# Altium PCB main_not_rotated.PcbDoc (part 2 of 2)
Units mm, origin at the board's own origin, x right, y up, seen from the top; angles counter-clockwise.
Board outline 199.97 x 144.74 mm, 2 copper layers (Top Layer, Bottom Layer); 194 components, 185 nets, 678 pads, 91 vias.
Unrouted connection lines stored in the file: 244.
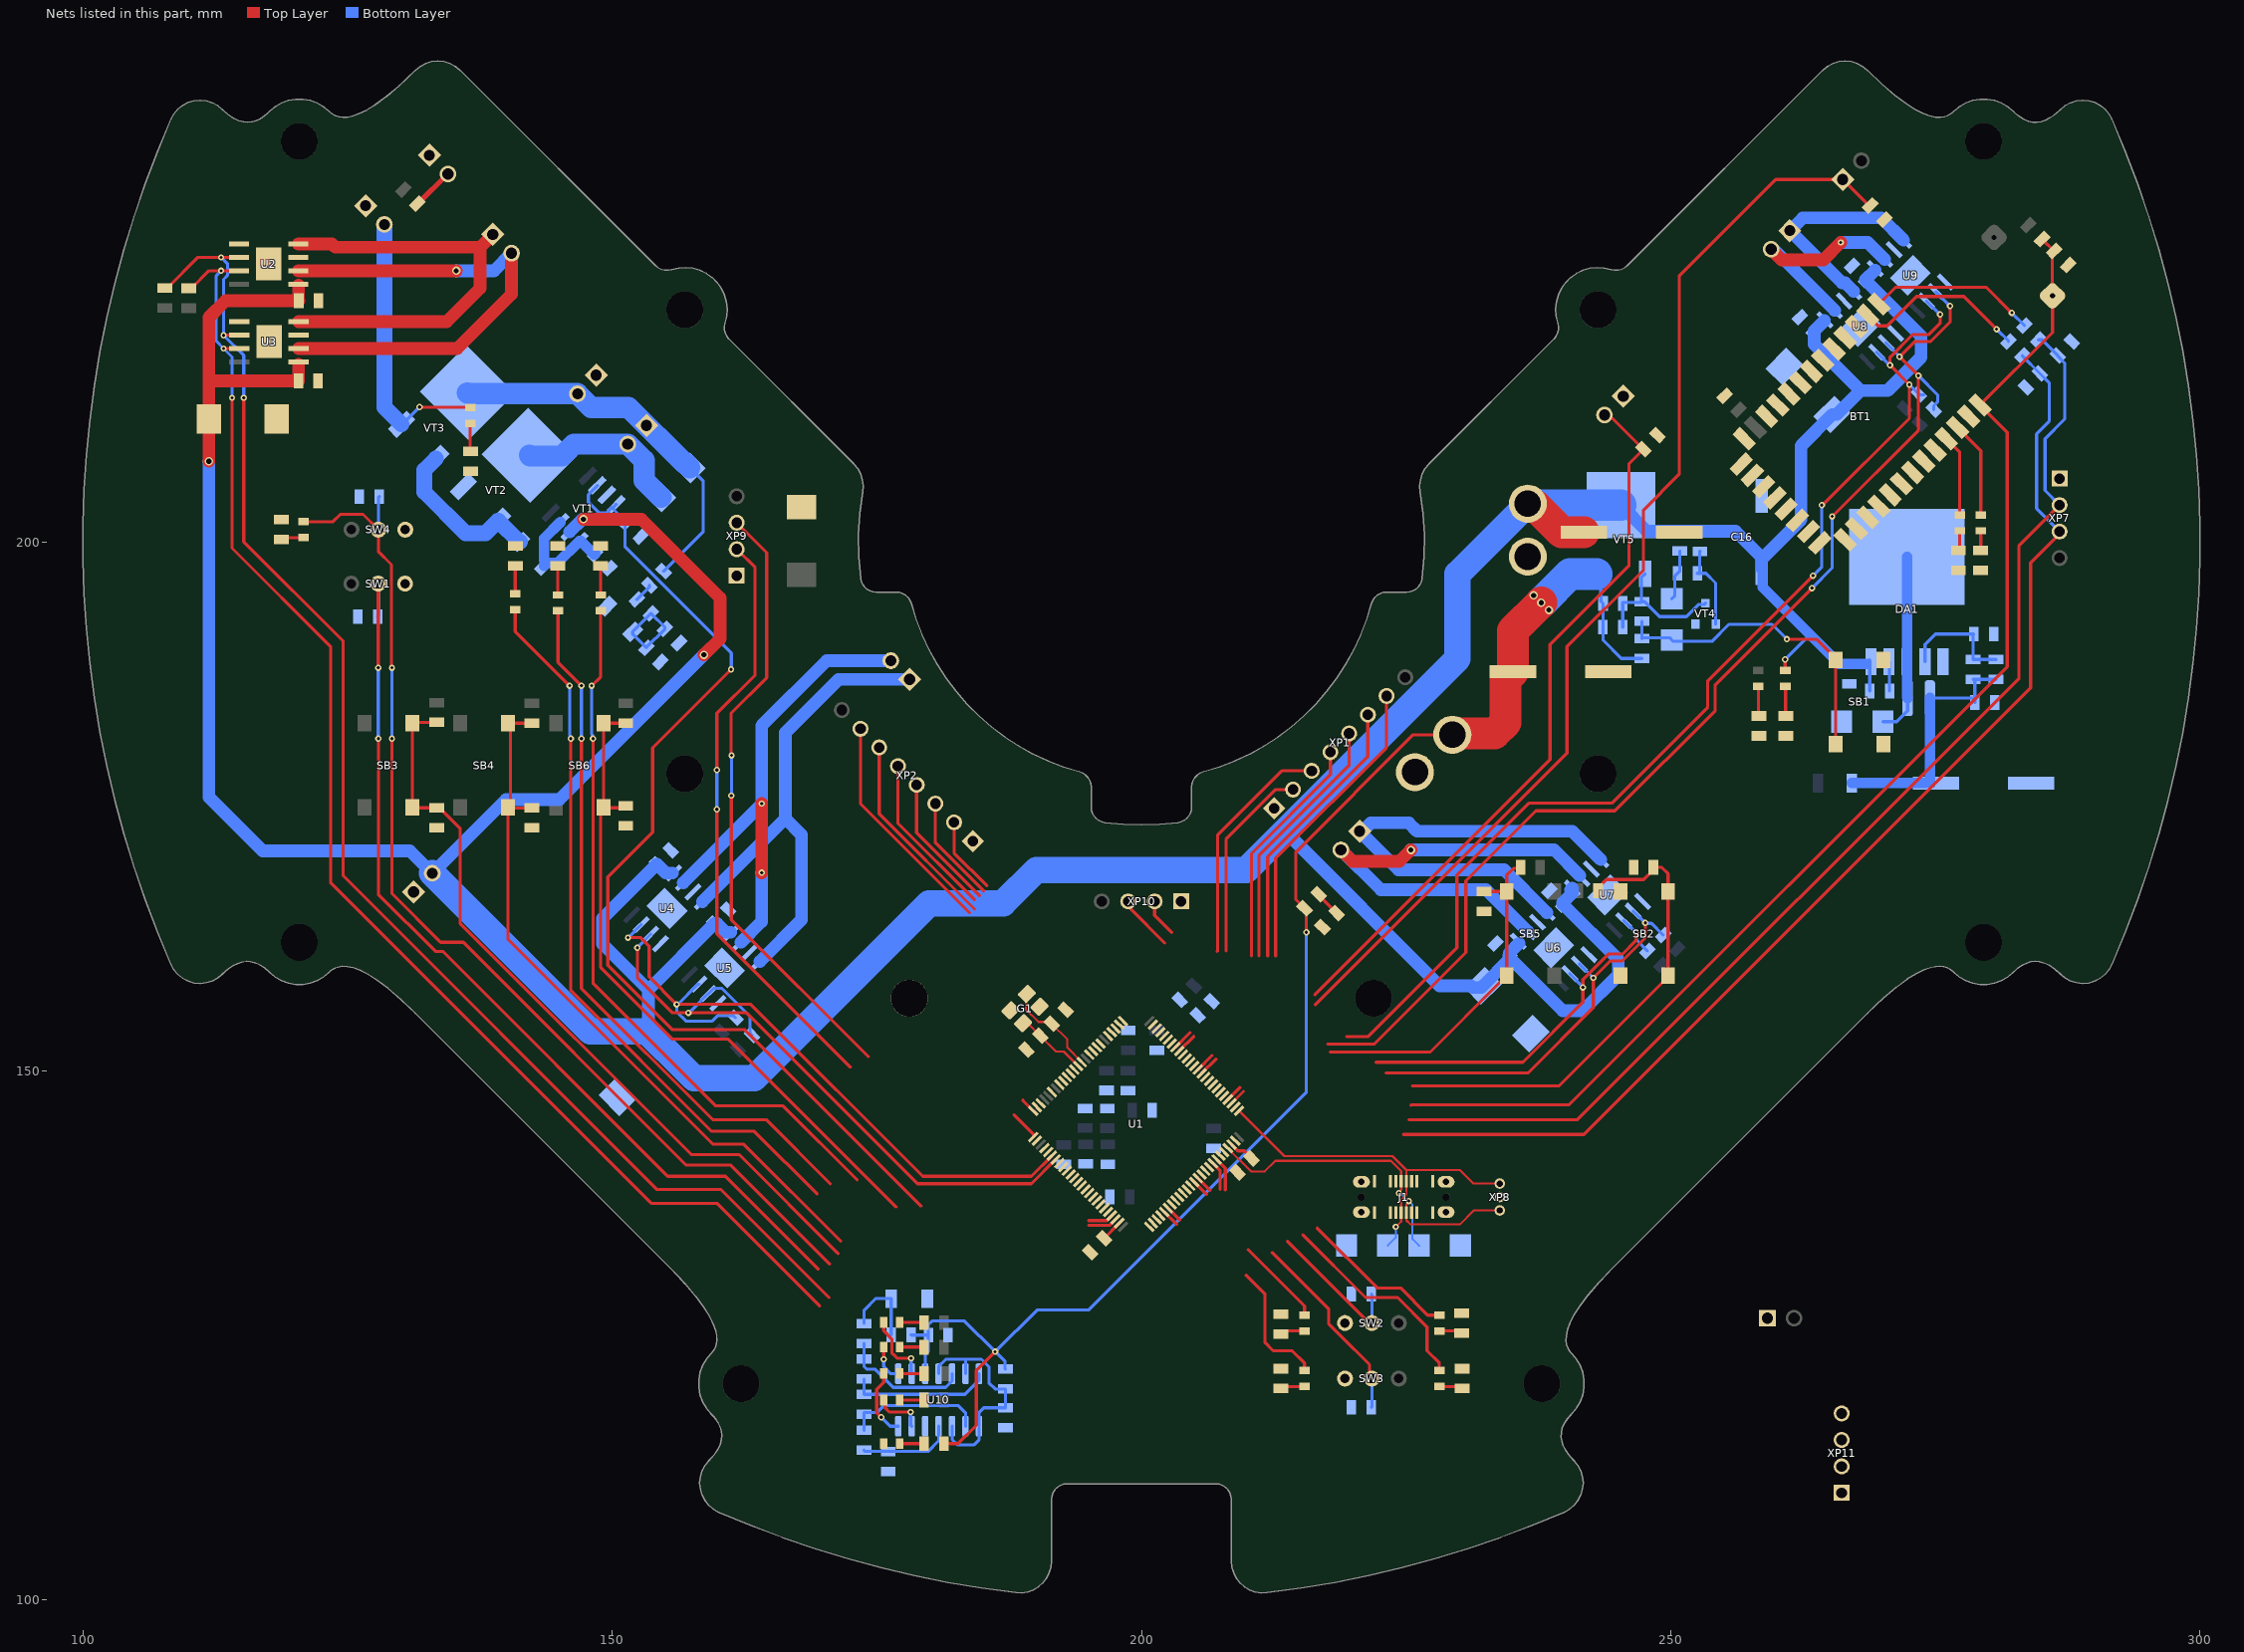
[diagram p2: the nets of this part, all layers, seen from the top]

## Via types
v1: diameter 0.6, hole 0.3, Top Layer to Bottom Layer, 79 vias
v2: diameter 0.8, hole 0.5, Top Layer to Bottom Layer, 12 vias

## Nets (pads, with @x,y where several pads share a name; then routed paths per layer and width w, separated by ;. In a path a pad name is that pad's centre, name@x,y a point inside that pad or via, vN(x,y) a via of type N, cw(c..) or ccw(c..) an arc to the next point about the centre after c; other vN are vias at no path point) (continued)
+12V: C2.1 C4.2 C5.2 C6.2 C7.2 C8.2 C9.2 C10.2 C11.2 C12.2 C13.2 C14.2 C15.2 C16.1 C18.2 C25.2 C46.2 DA1.5 HL6.2 R40.2 U2.5 U3.5 U4.5 U5.5 U6.5 U7.5 U8.5 U9.5 VT1.6 VT5.D XP15.2 XP21.2 | length 473.4
  Top Layer w0.3: v1(260.8,188.879) 260.8,187.873 HL6.2@260.823,187.85
  Top Layer w1.2: v2(111.92,207.6) 111.92,215.194 ; 120.378,216.771 120.378,215.197 C6.2@120.369,215.188 120.363,215.194 111.92,215.194 ; U2.5@120.378,224.243 120.378,222.814 C8.2@120.406,222.787 113.499,222.787 111.92,221.208 111.92,215.194 ; v2(147.289,202.131) 152.769,202.131 160.2,194.7 160.2,190.847 v2(158.678,189.325)
  Top Layer w3: XP15.2@236.5,203.6 236.615,203.485 237.115,203.485 239.7,200.9 C2.1@241.8,200.9
  Bottom Layer w0.3: v1(260.8,188.879) 263.153,191.232 263.153,191.239 ; DA1.5@268.747,188.839 268.807,188.779 C25.2@268.807,185.906
  Bottom Layer w1: C16.1@258.6,197.52 258.7,197.42 258.7,195.692 263.153,191.239 265.938,188.454 C18.2@266.864,188.454 ; C18.2@267.081,188.454 DA1.5@268.439,188.454
  Bottom Layer w1.2: v2(111.92,207.6) 111.92,175.88 117,170.8 130.897,170.8 XP21.2@133.013,168.684 139.976,175.647 145,175.647 v2(158.678,189.325) ; VT1.6@146.006,200.949 147.188,202.131 v2(147.289,202.131) ; 153.419,153.943 153.419,157.684 ; U4.5@155.7,168.71 155.052,168.71 C7.2@154.217,169.546 149.1,164.429 149.1,162.003 153.419,157.684 ; U5.5@161.2,163.1 160.728,163.1 159.908,163.92 159.867,163.92 159.831,163.956 159.691,163.956 C9.2@159.655,163.92 153.419,157.684 ; 213.565,172.651 228.162,158.053 231.129,158.053 231.308,157.874 232.076,157.874 C10.2@232.256,158.053 234.777,160.575 C12.2@234.777,160.714 ; U6.5@235.671,162.062 234.754,161.145 234.754,160.95 234.718,160.913 234.718,160.774 C12.2@234.754,160.737 C12.2@234.777,160.714 ; U7.5@240.693,167.271 240.534,167.112 240.693,166.953 240.693,166.797 239.799,165.904 239.799,165.765 C14.2@239.836,165.728 245.038,160.526 245.038,159.06 241.678,155.7 239.792,155.7 C12.2@234.777,160.714 ; VT5.D@245.284,203.469 247.748,201.004 R40.2@250.843,201.004 C46.2@252.755,201.004 ; C46.2@252.853,201.004 256.115,201.004 C16.1@258.6,198.52 ; C16.1@258.6,197.52 C16.1@258.6,198.52 ; C13.2@263.521,219.923 263.527,219.923 U8.5@264.512,220.908 ; C13.2@263.557,219.747 263.557,218.664 267.938,214.283 ; C15.2@268.405,224.784 U9.5@269.283,225.661 ; C15.2@268.442,224.747 268.442,224.658 273.653,219.446 273.653,217.446 270.49,214.283 267.938,214.283 ; C16.1@258.6,198.52 258.733,198.52 262.305,202.092 262.305,209.073 C11.2@265.262,212.03 265.685,212.03 267.938,214.283
  Bottom Layer w2.5: XP21.2@133.013,168.684 147.935,153.762 153.238,153.762 C5.2@154.987,152.013 ; C5.2@155.018,152.044 157.748,149.315 163.419,149.315 179.944,165.84 186.94,165.84 190.1,169 209.914,169 213.565,172.651 229.868,188.954 229.868,196.968 XP15.2@236.5,203.6
  Bottom Layer w3: XP15.2@236.5,203.6 236.662,203.6 236.794,203.469 VT5.D@245.284,203.469
+48V: HL3.2 VT3.S XP22.2 | length 26.7
  Top Layer w0.3: v1(131.817,212.729) 131.832,212.715 136.585,212.715 HL3.2@136.6,212.7
  Bottom Layer w0.3: VT3.S@130.11,211.106 130.569,211.566 130.654,211.566 v1(131.817,212.729)
  Bottom Layer w1.5: XP22.2@128.487,229.982 128.487,212.729 VT3.S@130.11,211.106
BALL_SEN: R2.2 U1.26 XP5.1 | length 109.1
  Top Layer w0.3: 187.965,145.854 189.917,143.902 U1.26@189.777,143.763 ; 216.445,156.279 240.2,180.034 240.2,190.1 247.431,197.331 247.431,202.999 250.8,206.368 250.8,225.111 259.926,234.237 XP5.1@266.245,234.237 268.702,231.781 R2.2@268.848,231.781 R2.2@268.672,231.605
BG_LED: HL2.2 U1.41 | length 12.3
  Top Layer w0.3: 209.906,130.7 211.657,128.949 211.657,124.37 212.461,123.565 214.235,123.565 215.4,122.4 HL2.2@215.4,121.686
BT_RESET: BT1.34@279.213,212.921 C54.2 R73.2 SB7.1 U1.80 | length 118.4
  Top Layer w0.3: 225.458,146.768 225.491,146.8 240.4,146.8 281.791,188.191 281.791,210.344 BT1.34@279.213,212.921 286.058,219.766 SB7.1@286.058,223.242 286.037,223.263 286.037,227.305 R73.2@286.213,227.481 286.203,227.481 285.087,228.597 C54.2@285.078,228.597
BT_RX: R67.2 R70.2 U1.78 XP7.3 | length 113.3
  Top Layer w0.3: U1.78@208.516,146.945 209.647,148.076 ; 224.758,144 241.795,144 284,186.205 284,198.017 286.73,200.747 XP7.3@286.73,200.971
  Bottom Layer w0.3: R70.2@283.231,217.598 283.231,217.549 284.869,215.91 285.754,215.025 285.754,211.384 284.551,210.182 284.551,203.15 XP7.3@286.73,200.971
BT_TX: R68.2 R69.2 U1.79 XP7.2 | length 112.7
  Top Layer w0.3: U1.79@208.162,147.298 209.293,148.429 ; 225.26,145.4 241.2,145.4 282.9,187.1 282.9,199.641 XP7.2@286.73,203.471
  Bottom Layer w0.3: R69.2@284.735,219.088 285.073,219.088 R68.2@286.566,217.595 286.566,217.517 287.215,216.868 287.215,211.596 285.351,209.732 285.351,204.851 XP7.2@286.73,203.471
BTN1: C19.2 R43.2 SB3.3 SB3.4 U1.82 | length 73.2
  Top Layer w0.3: SB3.4@131.119,182.843 SB3.3@131.119,174.893 131.14,174.872 R43.2@133.44,174.872 133.689,174.872 135.659,172.901 135.659,163.92 157.479,142.1 162,142.1 171.337,132.763 ; SB3.4@131.119,182.946 C19.2@133.42,182.946
BTN2: C26.2 R14.2 SB4.3 SB4.4 U1.83 | length 68.5
  Top Layer w0.3: SB4.3@140.159,174.893 140.159,162.441 159.5,143.1 162.407,143.1 171.592,133.915 ; SB4.3@140.198,174.854 R14.2@142.426,174.854 ; SB4.3@140.4,174.9 SB4.4@140.4,183.209 ; SB4.4@140.402,183.211 140.402,183.126 140.659,182.869 C26.2@142.432,182.869
  Top Layer w0.5: SB4.3@140.159,174.893 SB4.3@140.198,174.854
BTN3: C37.2 R17.2 SB6.3 SB6.4 U1.84 | length 64.7
  Top Layer w0.3: SB6.3@149.2,174.9 SB6.4@149.2,182.843 149.226,182.869 C37.2@151.286,182.869 ; R17.2@151.28,175.06 151.092,174.872 149.221,174.872 SB6.3@149.2,174.893 148.918,174.611 148.918,159.782 155.7,153 160.993,153 176.842,137.151
CAP: R48.2 VD5.K VT3.D XP4.2 XP6.1 | length 35.8
  Bottom Layer w0.3: R48.2@154.86,197.222 158.616,200.979 158.616,205.728 VD5.K@157.377,206.968
  Bottom Layer w2: VT3.D@136.325,214.083 136.414,213.995 146.72,213.995 148.019,212.696 151.554,212.696 156.833,207.417 156.927,207.417 VD5.K@157.342,207.003
CAP_ADC: R53.1
ESC_IN: R3.2 U1.25 XP14.2 | length 70.8
  Top Layer w0.3: 188.805,147.263 188.805,147.21 U1.25@189.777,146.237 ; 216.395,157.21 238.6,179.416 238.6,190.3 246.07,197.77 246.07,207.398 R3.2@247.419,208.748 244.538,211.63 244.447,211.63 244.09,211.987 XP14.2@243.745,211.987
FP1: XP11.4
FP2: XP11.3
FP3: XP11.2
FP4: XP11.1
GK_LED: HL10.2 U1.39 | length 14.9
  Top Layer w0.3: 216.6,135.171 222.271,129.5 224.478,129.5 227.041,126.936 HL10.2@228.139,126.936
GND: BT1.13 BT1.21 BT1.22 C1.1 C2.2 C3.2 C4.1 C5.1 C6.1 C7.1 C8.1 C9.1 C10.1 C11.1 C12.1 C13.1 C14.1 C15.1 C16.2 C17.1 C18.1 C20.2 C21.2 C22.2 C23.2 C24.2 C27.2 C28.2 C29.2 C30.2 C31.1 C32.2 C33.1 C34.1 C36.2 C40.1 C41.1 C42.2 C43.2 C52.1 C53.1 D1.A D2.A DA1.1 G1.2 G1.4 HL17.1 J1.A1 J1.A12 J1.B1 J1.B12 J1.S1 J1.S2 J1.S3 J1.S4 pad.1@178.08,156.866 R2.1 R3.1 R13.1 R14.1 R15.1 R17.1 R18.1 R19.1 R22.2 R23.1 R24.1 R25.1 R26.1 R27.1 R28.1 R29.1 R30.1 R32.1 R33.1 R34.1 R35.1 R38.1 R41.1 R42.1 R43.1 R50.1 R52.1 R59.1 R61.1 R67.1 R68.1 R71.1 R72.1 R73.1 SB1.1 SB1.2 SB2.1 SB2.2 SW1.3 SW2.3 SW3.3 SW4.3 U1.10 U1.20 U1.27 U1.74 U1.99 U2.1 U2.7 U2.9 U3.1 U3.7 U3.9 U4.1 U4.7 U4.9 U5.1 U5.7 U5.9 U6.1 U6.7 U6.9 U7.1 U7.7 U7.9 U8.1 U8.7 U8.9 U9.1 U9.7 U9.9 U10.12 VD1.A VD2.A VD3.A VT1.3 VT2.S VT4.S XP1.1 XP2.1 XP3.1 XP4.1 XP7.1 XP8.2 XP9.1 XP10.1 XP12.1 XP14.1 XP15.1 XP20.1 XP21.1 XP22.1
GOAL_SW: R41.2 SW3.2 U1.93 | length 20.5
  Top Layer w0.3: U1.93@203.212,152.248 204.591,153.627 ; 212.357,132.843 217.7,127.5 217.7,126.1 218.084,125.716 218.084,125.71 218.757,125.036 218.764,125.036 221.544,122.256 221.544,121.166 SW3.2@221.774,120.936
  Bottom Layer w0.3: R41.2@221.72,118.22 221.774,118.274 SW3.2@221.774,120.936
IMU_RX: U1.47 XP10.2 | length 5.9
  Top Layer w0.3: 195.045,135.861 196.725,135.861 U1.47@197.202,136.338 ; XP10.2@201.25,166.025 201.25,164.709 202.859,163.1
IMU_TX: U1.48 XP10.3 | length 8.1
  Top Layer w0.3: 195.045,135.411 196.982,135.411 U1.48@197.555,135.984 ; XP10.3@198.75,166.025 198.981,165.794 198.981,165.321 202.206,162.096
KICK_IN: R18.2 U1.24 VT1.2 VT1.4 | length 97.2
  Top Layer w0.3: v1(161.238,187.939) 153.829,180.53 153.829,172.547 149.6,168.318 149.6,160 155.7,153.9 162.53,153.9 179.183,137.247
  Bottom Layer w0.3: VT1.2@148.601,205.34 148.601,205.283 147.754,204.436 147.754,203.745 148.748,202.751 149.494,202.751 150.027,203.283 VT1.4@150.137,203.283 ; VT1.4@150.397,203.544 VT1.4@150.137,203.283 ; v1(161.238,187.939) 161.264,187.965 161.264,189.486 151.202,199.548 151.202,201.655 R18.2@151.378,201.83 150.137,203.071 VT1.4@150.137,203.283
LB_IN1: U1.33 XP1.2 | length 18.8
  Top Layer w0.3: 207.985,161.371 207.985,171.891 212.687,176.593 XP1.2@214.319,176.593
LB_IN2: U1.34 XP1.3 | length 22.4
  Top Layer w0.3: 207.137,161.3 207.207,161.371 207.207,172.307 213.26,178.36 XP1.3@216.086,178.36
LB_IN3: U1.63 XP1.4 | length 24
  Top Layer w0.3: U1.63@204.98,139.52 206.147,138.353 206.147,138.346 ; 210.4,160.9 210.4,170.545 217.854,177.999 XP1.4@217.854,180.128
LB_IN4: U1.64 XP1.5 | length 26.2
  Top Layer w0.3: U1.64@205.334,139.873 206.5,138.707 ; 211.108,160.9 211.108,170.386 219.622,178.9 XP1.5@219.622,181.896
LB_OUT1: U1.35 XP1.6 | length 26.7
  Top Layer w0.3: 211.921,160.9 211.921,170.242 221.39,179.711 XP1.6@221.39,183.664
LB_OUT2: U1.36 XP1.7 | length 28.9
  Top Layer w0.3: 212.687,160.9 212.687,170.1 223.157,180.571 XP1.7@223.157,185.431
LED1: HL1.2 U1.43 | length 69.4
  Top Layer w0.3: HL1.2@140.851,193.578 140.851,191.534 v1(145.986,186.4) ; v1(146.1,181.4) 146.1,157.6 159.4,144.3 163.431,144.3 169.343,138.389
  Bottom Layer w0.3: v1(145.986,186.4) 145.986,181.595 146.1,181.481 v1(146.1,181.4)
LED2: HL4.2 U1.44 | length 68.2
  Top Layer w0.3: v1(148.064,186.4) 148.918,187.254 HL4.2@148.918,193.478 ; v1(148.199,181.4) 148.199,158.301 159.8,146.7 166.14,146.7 173.144,139.697
  Bottom Layer w0.3: v1(148.064,186.4) 148.064,181.825 148.142,181.746 148.142,181.457 v1(148.199,181.4)
LED3: HL7.2 U1.45 | length 67.7
  Top Layer w0.3: HL7.2@144.885,193.478 144.885,188.615 v1(147.1,186.4) ; v1(147.1,181.4) 147.1,157.8 159.5,145.4 164.543,145.4 170.6,139.343
  Bottom Layer w0.3: v1(147.1,181.4) v1(147.1,186.4)
M1_IN1: R4.1 U1.4 U2.2 U3.2 | length 135.6
  Top Layer w0.3: R4.1@107.739,223.994 107.988,223.994 110.871,226.877 v1(113.063,226.877) U2.2@114.75,226.877 ; v1(113.3,219.515) 113.32,219.536 U3.2@114.787,219.536 ; v1(115.2,213.6) 115.2,200 124.6,190.6 124.6,168.445 154.245,138.8 160.293,138.8 170.499,128.594
  Bottom Layer w0.3: v1(113.063,226.877) 113.663,226.277 113.663,225.163 113.3,224.8 v1(113.3,219.515) 115.2,217.615 v1(115.2,213.6)
M1_IN2: R6.1 U1.5 U2.3 U3.3 | length 132.1
  Top Layer w0.3: R6.1@110.019,223.952 110.268,223.952 111.923,225.607 v1(113.063,225.607) U2.3@114.75,225.607 ; v1(113.3,218.266) U3.3@114.787,218.266 ; v1(114.1,213.6) 114.1,199.4 123.4,190.1 123.4,167.8 153.7,137.5 159.9,137.5 169.594,127.806
  Bottom Layer w0.3: v1(113.063,225.607) 112.6,225.144 112.6,218.966 v1(113.3,218.266) 114.1,217.466 v1(114.1,213.6)
M1_OUT1: U2.6 U3.6 XP16.2 | length 47
  Top Layer w1.2: U2.6@120.35,225.607 v2(135.271,225.607) ; U3.6@120.387,218.266 135.374,218.266 140.5,223.392 XP16.2@140.5,227.269
  Bottom Layer w1.2: v2(135.271,225.607) 138.838,225.607 XP16.2@140.5,227.269
M1_OUT2: U2.8 U3.8 XP16.1 | length 41.3
  Top Layer w1.2: U2.8@120.35,228.147 123.536,228.147 123.856,227.826 137.521,227.826 ; U3.8@120.387,220.806 134.374,220.806 137.521,223.953 137.521,227.826 ; XP16.1@138.732,229.037 137.521,227.826
M2_IN1: R5.1 U1.32 U4.2 U5.2 | length 62.9
  Top Layer w0.3: v1(152.38,161.644) 152.38,158.82 155.7,155.5 v1(157.2,155.5) 162.7,155.5 178.857,139.343 189.601,139.343 U1.32@191.899,141.641
  Bottom Layer w0.3: v1(152.38,161.644) 152.38,161.653 U4.2@153.663,162.937 ; v1(157.2,155.5) 157.253,155.5 159.052,157.299 U5.2@159.105,157.299 159.617,157.811 160.36,157.811 163.037,155.134 163.037,153.551 R5.1@163.213,153.376
M2_IN2: R7.1 U1.31 U4.3 U5.3 | length 63.5
  Top Layer w0.3: v1(151.5,162.6) 152.7,162.6 153.5,161.8 153.5,158.9 v1(156.1,156.3) 163.1,156.3 179.35,140.05 189.601,140.05 U1.31@191.545,141.995
  Bottom Layer w0.3: v1(151.5,162.6) 151.515,162.6 152.75,163.835 U4.3@152.765,163.835 ; U5.3@158.207,158.197 158.102,158.197 156.205,156.3 v1(156.1,156.3) 156.1,155.6 156.982,154.718 159.458,154.718 159.952,155.212 161.473,155.212 R7.1@161.649,155.036
M2_OUT1: U4.6 U5.6 XP17.2 | length 46.6
  Top Layer w1.2: v1(164.122,168.734) v1(164.122,175.264)
  Bottom Layer w1.2: U4.6@156.725,167.795 164.122,175.191 v1(164.122,175.264) 164.122,182.622 170.268,188.768 XP17.2@176.332,188.768 ; U5.6@162.166,162.156 164.122,164.112 v1(164.122,168.734)
M2_OUT2: U4.8 U5.8 XP17.1 | length 48.8
  Bottom Layer w1.2: U4.8@158.521,165.999 166.367,173.845 ; U5.8@163.963,160.36 167.9,164.298 167.9,172.312 166.367,173.845 ; XP17.1@178.1,187 171.4,187 166.367,181.967 166.367,173.845
M3_IN1: R8.1 U1.53 U6.2 U7.2 | length 38.5
  Top Layer w0.3: 223.114,149.808 236.508,149.808 242.7,156 v1(242.7,158.8) 244.3,160.4 245.436,160.4 247.6,162.564 v1(247.6,164)
  Bottom Layer w0.3: U6.2@241.363,160.111 241.376,160.111 242.687,158.8 v1(242.7,158.8) ; U7.2@246.449,165.107 246.471,165.107 247.578,164 v1(247.6,164) 247.657,163.943 248.182,163.943 R8.1@249.283,162.842
M3_IN2: R10.1 U1.54 U6.3 U7.3 | length 37
  Top Layer w0.3: 222.143,150.834 236.034,150.834 241.7,156.5 v1(241.7,157.9) 241.701,157.901 241.701,158.65 244.097,161.046 245.446,161.046 246.7,162.3 v1(246.7,163.1)
  Bottom Layer w0.3: U6.3@240.465,159.213 240.465,159.174 241.7,157.939 v1(241.7,157.9) ; U7.3@245.551,164.209 245.571,164.209 246.68,163.1 v1(246.7,163.1) 246.757,163.043 246.757,162.385 R10.1@247.79,161.352
M3_OUT1: U6.6 U7.6 XP18.2 | length 45.3
  Top Layer w1.2: XP18.2@218.845,170.887 219.932,169.8 224.371,169.8 v2(225.458,170.887)
  Bottom Layer w1.2: XP18.2@218.845,170.887 222.615,167.118 232.56,167.118 U6.6@236.505,163.172 ; v2(225.458,170.887) 238.986,170.887 U7.6@241.4,168.473
M3_OUT2: U6.8 U7.8 XP18.1 | length 45.4
  Bottom Layer w1.2: U6.8@238.301,164.968 234.27,169 224.268,169 XP18.1@220.613,172.655 220.878,172.655 221.665,173.443 225.257,173.443 226.045,172.655 240.697,172.655 U7.8@243.387,169.965
M4_IN1: R9.1 U1.61 U8.2 U9.2 | length 111.3
  Top Layer w0.3: 217.598,152.531 221.97,152.531 230.641,161.202 230.641,167.97 237.256,174.585 244.731,174.585 254.2,184.054 254.2,186.48 v1(263.345,195.625) ; v1(265.253,202.4) 273.393,210.541 v1(273.393,215.701) v1(271.613,217.481) 273.063,218.932 274.562,218.932 276.385,220.755 v1(276.385,222.285)
  Bottom Layer w0.3: v1(263.345,195.625) 265.253,197.532 v1(265.253,202.4) ; U8.2@270.337,218.807 270.337,218.782 271.613,217.506 v1(271.613,217.481) ; v1(273.393,215.701) 275.212,213.882 275.212,213.219 274.843,212.85 R9.1@274.843,212.499 ; U9.2@275.064,223.631 275.064,223.619 276.385,222.298 v1(276.385,222.285)
M4_IN2: R11.1 U1.62 U8.3 U9.3 | length 105
  Top Layer w0.3: 219.389,153.238 221.399,153.238 229.8,161.639 229.8,168.512 236.588,175.3 244.416,175.3 253.5,184.384 253.5,186.855 v1(263.445,196.8) ; v1(264.274,203.469) 264.338,203.469 272.537,211.668 v1(272.537,214.845) 272.537,214.851 270.713,216.676 v1(270.713,216.681) v1(270.713,216.681) 270.714,217.431 272.872,219.589 274.407,219.589 275.449,220.631 v1(275.449,221.484)
  Bottom Layer w0.3: v1(263.445,196.8) 264.274,197.63 v1(264.274,203.469) ; U8.3@269.439,217.909 269.462,217.909 270.69,216.681 v1(270.713,216.681) ; v1(272.537,214.845) 273.43,213.953 R11.1@273.432,213.953 273.5,213.886 R11.1@273.924,213.886 ; U9.3@274.166,222.733 275.416,221.484 v1(275.449,221.484)
M4_OUT1: U8.6 U9.6 XP19.2 | length 20.9
  Top Layer w1.2: XP19.2@259.482,227.642 260.478,226.646 264.428,226.646 v1(266.061,228.279)
  Bottom Layer w1.2: XP19.2@259.482,227.642 259.553,227.57 259.778,227.57 U8.6@265.479,221.869 ; v1(266.061,228.279) 266.073,228.291 268.608,228.291 U9.6@270.206,226.693
M4_OUT2: U8.8 U9.8 XP19.1 | length 20.5
  Bottom Layer w1.2: U8.8@267.275,223.665 266.478,224.462 266.196,224.462 XP19.1@261.249,229.409 261.275,229.409 262.466,230.6 269.891,230.6 U9.8@272.002,228.489
MTR_ON: HL12.2 R42.2 SW4.2 U1.81 | length 101.8
  Top Layer w0.3: HL12.2@120.856,201.9 123.626,201.9 124.326,202.6 126.47,202.6 SW4.2@127.92,201.15 127.92,199.08 129.15,197.85 129.15,188.15 v1(129.2,188.1) ; v1(129.2,181.4) 129.2,166.77 133.8,162.17 135.936,162.17 157.006,141.1 161.212,141.1 170.537,131.775
  Bottom Layer w0.3: SW4.2@127.92,201.15 127.92,204.188 R42.2@127.992,204.26 ; v1(129.2,181.4) v1(129.2,188.1)
MV_RX: U1.86 XP9.3 | length 60.3
  Top Layer w0.3: v1(161.268,176.018) 161.268,164.296 174.2,151.364 ; v1(161.288,179.814) 161.238,179.864 161.238,183.8 164.6,187.162 164.6,198.971 XP9.3@161.771,201.8 ; U1.86@205.687,149.773 207.031,151.116
  Bottom Layer w0.3: v1(161.268,176.018) 161.288,176.038 v1(161.288,179.814)
MV_TX: U1.87 XP9.2 | length 58.3
  Top Layer w0.3: v1(159.9,174.731) 159.9,162.974 172.5,150.374 ; v1(159.9,178.442) 159.9,183.8 163.5,187.4 163.5,197.571 XP9.2@161.771,199.3 ; U1.87@205.334,150.127 206.677,151.47
  Bottom Layer w0.3: v1(159.9,174.731) v1(159.9,178.442)
NetBT1_1: BT1.1 R69.1 | length 15.9
  Top Layer w0.3: BT1.1@269.667,222.467 271.253,224.053 279.809,224.053 v1(282.219,221.643)
  Bottom Layer w0.3: v1(282.219,221.643) 283.405,220.457 R69.1@283.405,220.417
NetBT1_2: BT1.2 R70.1 | length 16.7
  Top Layer w0.3: BT1.2@268.607,221.407 269.612,220.401 270.43,220.401 273.212,223.184 277.694,223.184 v1(280.787,220.091)
  Bottom Layer w0.3: v1(280.787,220.091) 281.901,218.976 R70.1@281.901,218.927
NetBT1_3: BT1.3
NetBT1_4: BT1.4
NetBT1_5: BT1.5
NetBT1_6: BT1.6
NetBT1_7: BT1.7
NetBT1_8: BT1.8
NetBT1_9: BT1.9
NetBT1_10: BT1.10
NetBT1_11: BT1.11
NetBT1_14: BT1.14
NetBT1_15: BT1.15
NetBT1_16: BT1.16
NetBT1_17: BT1.17
NetBT1_18: BT1.18
NetBT1_19: BT1.19
NetBT1_20: BT1.20
NetBT1_23: BT1.23
NetBT1_24: BT1.24
NetBT1_25: BT1.25
NetBT1_26: BT1.26
NetBT1_27: BT1.27
NetBT1_28: BT1.28
NetBT1_29: BT1.29
NetBT1_30: BT1.30
NetBT1_31: BT1.31 HL18.2 | length 7.7
  Top Layer w0.3: BT1.31@276.031,209.739 277.304,208.467 HL18.2@277.304,202.542
NetBT1_32: BT1.32 HL19.2 | length 9.2
  Top Layer w0.3: BT1.32@277.092,210.8 279.284,208.608 HL19.2@279.284,202.542
NetBT1_33: BT1.33@278.153,211.861
NetC25_1: C25.1 DA1.4 | length 2.8
  Bottom Layer w0.3: DA1.4@270.614,188.672 270.667,188.619 C25.1@270.667,185.906
NetC34_2: C34.2 C36.1 C38.2 L1.2 R12.2 R16.1 | length 24.4
  Bottom Layer w0.3: L1.2@274.477,185.243 278.433,185.243 C34.2@278.733,184.943 ; C38.2@278.564,187.019 C38.2@278.576,187.008 ; C34.2@278.733,184.816 C34.2@278.733,184.943 ; R12.2@280.735,187.008 C38.2@278.576,187.008 ; C38.2@278.576,187.008 278.733,186.85 C34.2@278.733,184.943
  Bottom Layer w1: R16.1@267.11,177.2 270.23,177.2 274.577,177.2 274.477,177.3 L1.2@274.477,185.243
NetC38_1: C38.1 DA1.2 R12.1 R13.2 | length 11.2
  Bottom Layer w0.3: DA1.2@274.014,188.672 274.014,190.289 275.012,191.287 R13.2@278.622,191.287 278.564,191.229 C38.1@278.564,188.879 278.573,188.888 R12.1@280.735,188.888
NetC40_2: C40.2 U1.73 | length 2.4
  Top Layer w0.3: U1.73@208.516,143.055 209.117,142.454 209.726,142.454 210.301,141.88 210.4,141.781 C40.2@210.4,141.747
NetC41_2: C41.2 U1.49 | length 2
  Top Layer w0.3: C41.2@196.459,134.2 196.478,134.2 U1.49@197.909,135.631
NetC42_1: C42.1 G1.3 U1.12 | length 9.3
  Top Layer w0.2: G1.3@189.175,157.28 189.105,157.209 189.105,155.796 190.269,154.631 190.841,154.631 190.85,154.64 191.345,154.64 C42.1@191.52,154.464 192.999,152.985 192.999,152.208 U1.12@194.373,150.834
NetC43_1: C43.1 G1.1 U1.13 | length 6.9
  Top Layer w0.2: G1.1@188.822,154.522 189.241,154.522 C43.1@190.438,153.325 191.929,151.834 192.666,151.834 U1.13@194.02,150.48
NetC44_1: C44.1 C45.1 R37.2 VT4.D VT5.G | length 16
  Bottom Layer w0.3: R37.2@245.471,191.95 C45.1@245.471,194.173 ; C45.1@245.471,194.256 247.196,194.256 C44.1@247.287,194.346 ; VT4.D@253.293,194.217 253.153,194.077 252.619,194.077 251.478,192.936 248.945,192.936 247.535,194.346 C44.1@247.287,194.346 ; VT5.G@247.225,196.62 VT5.G@247.574,196.969 ; VT5.G@247.225,196.62 VT5.G@247.574,196.969 ; VT5.G@247.225,196.62 247.225,194.408 C44.1@247.287,194.346 ; VT5.G@247.225,196.62 VT5.G@247.574,196.969 ; VT5.G@247.225,196.62 VT5.G@247.574,196.969 ; VT5.G@247.225,196.62 VT5.G@247.574,196.969
NetC44_2: C44.2 R36.2 SB1.3 SB1.4 VD6.K | length 30.2
  Top Layer w0.3: v1(260.97,190.797) 263.757,190.797 265.592,188.963 SB1.3@265.592,188.838 SB1.4@265.592,180.888
  Bottom Layer w0.3: C44.2@247.272,192.486 R36.2@247.272,190.859 247.355,190.942 249.883,190.942 250.237,190.588 253.889,190.588 255.5,192.2 259.567,192.2 v1(260.97,190.797)
NetC46_1: C46.1 R39.2 VT4.G | length 8.1
  Bottom Layer w0.3: R39.2@252.521,197.02 R39.2@252.743,197.02 ; C46.1@252.755,199.096 252.749,199.09 252.749,197.026 R39.2@252.743,197.02 ; VT4.G@254.243,192.217 254.243,196.104 253.327,197.02 R39.2@252.743,197.02
NetD1_K: D1.K R49.1 R50.2 R53.2 | length 9
  Bottom Layer w0.3: D1.K@151.941,191.506 D1.K@151.947,191.506 ; R53.2@153.232,189.977 R53.2@153.232,190.006 ; D1.K@151.947,191.506 151.947,191.253 151.992,191.253 153.232,190.014 R53.2@153.232,190.006 ; D1.K@151.947,191.506 R49.1@153.656,193.215 153.698,193.215 154.992,191.921 R50.2@154.992,191.766 R53.2@153.232,190.006
NetD2_K: D2.K R54.1 R55.2 | length 7.7
  Bottom Layer w0.3: R55.2@173.805,126.141 173.805,127.418 174.878,128.491 D2.K@176.36,128.491 176.362,128.489 R54.1@176.362,125.07
NetDA1_3: DA1.3 L1.1 VD3.K | length 17.3
  Bottom Layer w0.3: VD3.K@270.05,183.003 271.336,183.003 272.377,184.043 L1.1@272.377,185.243
  Bottom Layer w1: DA1.3@272.314,198.572 DA1.3@272.314,188.672 272.314,185.306 L1.1@272.377,185.243
NetHL1_1: HL1.1 R23.2 | length 2.7
  Top Layer w0.3: HL1.1@140.851,195.078 R23.2@140.851,197.743
NetHL2_1: HL2.1 R24.2 | length 2.3
  Top Layer w0.3: R24.2@213.16,119.994 213.352,120.186 HL2.1@215.4,120.186
NetHL3_1: HL3.1 R25.2 | length 2.7
  Top Layer w0.3: HL3.1@136.6,211.2 136.6,208.562 R25.2@136.62,208.542
NetHL4_1: HL4.1 R26.2 | length 2.8
  Top Layer w0.3: R26.2@148.898,197.743 148.918,197.723 HL4.1@148.918,194.978
NetHL5_1: HL5.1 R27.2 | length 2.2
  Top Layer w0.3: HL5.1@228.139,120.186 230.088,120.186 R27.2@230.28,119.994
NetHL6_1: HL6.1 R28.2 | length 2.8
  Top Layer w0.3: HL6.1@260.823,186.35 260.844,186.33 260.844,183.571 R28.2@260.872,183.542
NetHL7_1: HL7.1 R29.2 | length 2.8
  Top Layer w0.3: HL7.1@144.875,194.988 R29.2@144.875,197.743
NetHL8_1: HL8.1 R30.2 | length 2.3
  Top Layer w0.3: R30.2@213.18,125.152 213.465,125.436 HL8.1@215.4,125.436
NetHL10_1: HL10.1 R32.2 | length 2.2
  Top Layer w0.3: HL10.1@228.139,125.436 230.067,125.436 R32.2@230.26,125.244
NetHL11_1: HL11.1 R33.2 | length 2.8
  Top Layer w0.3: HL11.1@258.271,186.35 258.291,186.33 258.291,183.571 R33.2@258.319,183.542
NetHL12_1: HL12.1 R34.2 | length 2.2
  Top Layer w0.3: R34.2@118.766,200.208 118.959,200.4 HL12.1@120.856,200.4
NetHL13_1: HL13.1 U10.2 | length 6.8
  Top Layer w0.3: HL13.1@175.65,126.247 175.65,125.463 176.425,124.688 176.425,123.364 176.675,123.114 176.675,123.112 176.924,122.863 v1(178.25,122.863)
  Bottom Layer w0.3: v1(178.25,122.863) 178.25,121.69 178.3,121.64 178.175,121.515 U10.2@178.301,121.389
NetHL13_2: HL13.2 R62.1 | length 2.3
  Top Layer w0.3: HL13.2@177.15,126.247 179.442,126.247 R62.1@179.462,126.227
NetHL14_1: HL14.1 U10.1 | length 3.5
  Top Layer w0.3: v1(175.65,122.763) HL14.1@175.65,123.913
  Bottom Layer w0.3: v1(175.65,122.763) 175.65,122.065 176.326,121.389 U10.1@177.031,121.389
NetHL14_2: HL14.2 R63.1 | length 2.3
  Top Layer w0.3: HL14.2@177.15,123.913 179.442,123.913 R63.1@179.462,123.893
NetHL15_1: HL15.1 U10.14 | length 6.5
  Top Layer w0.3: v1(175.425,117.288) 175,117.713 175,119.913 175.65,120.563 HL15.1@175.65,121.413
  Bottom Layer w0.3: v1(175.425,117.288) 176.274,116.439 U10.14@177.031,116.439
NetHL15_2: HL15.2 R64.1 | length 2.3
  Top Layer w0.3: HL15.2@177.15,121.413 179.442,121.413 R64.1@179.462,121.393
NetHL16_1: HL16.1 U10.13 | length 4.8
  Top Layer w0.3: HL16.1@175.65,118.913 175.793,118.77 175.793,118.169 176.182,117.779 v1(178.2,117.779)
  Bottom Layer w0.3: v1(178.2,117.779) 178.2,116.54 U10.13@178.301,116.439
NetHL16_2: HL16.2 R65.1 | length 2.3
  Top Layer w0.3: HL16.2@177.15,118.913 179.442,118.913 R65.1@179.462,118.893
NetHL17_2: HL17.2 R66.1 | length 2.3
  Top Layer w0.3: HL17.2@177.15,114.793 R66.1@179.462,114.793
NetHL18_1: HL18.1 R71.2 | length 1.9
  Top Layer w0.3: R71.2@277.176,199.186 277.304,199.314 HL18.1@277.304,201.042
NetHL19_1: HL19.1 R72.2 | length 1.9
  Top Layer w0.3: R72.2@279.274,199.184 279.284,199.194 HL19.1@279.284,201.042
NetJ1_A4: J1.A4
NetJ1_A5: J1.A5
NetJ1_A8: J1.A8
NetJ1_A9: J1.A9
NetJ1_B4: J1.B4
NetJ1_B5: J1.B5
NetJ1_B8: J1.B8
NetJ1_B9: J1.B9
NetR1_1: R1.1 XP3.2 | length 4.1
  Top Layer w0.5: R1.1@131.605,231.952 131.654,231.952 134.451,234.75 XP3.2@134.5,234.75
NetR19_2: R19.2 U1.94
NetR21_1: R21.1 R22.1 VT1.5 VT1.7 | length 10.9
  Bottom Layer w1: R21.1@143.569,197.727 R21.1@143.842,197.999 ; VT1.7@145.108,201.847 143.569,200.308 143.569,198.271 R21.1@143.842,197.999 ; R22.1@148.404,198.851 148.365,198.811 148.294,198.811 147.054,200.051 VT1.5@146.904,200.051 144.853,197.999 R21.1@143.842,197.999
NetR21_2: R21.2 VT2.G VT3.G | length 15.6
  Bottom Layer w1.5: VT3.G@133.348,207.868 132.259,206.779 132.259,204.714 136.144,200.829 138.054,200.829 VT2.G@139.198,201.974 139.26,201.974 141.244,199.99 R21.2@141.307,199.99
NetR39_1: R39.1 R40.1 VD6.A | length 4.8
  Bottom Layer w0.3: VD6.A@250.101,194.625 250.392,194.917 250.392,196.772 250.863,197.243 250.863,199.104 R40.1@250.843,199.124
NetR48_1: R48.1 R49.2 | length 1.8
  Bottom Layer w0.3: R49.2@152.326,194.544 153.531,195.749 R48.1@153.531,195.893
NetR55_1: R55.1 R56.2 U10.5 | length 12.3
  Bottom Layer w0.3: R55.1@173.805,124.261 R56.2@173.805,122.777 173.805,122.058 174.028,121.835 174.803,121.835 176.534,120.104 181.516,120.104 182.111,120.699 U10.5@182.111,121.389
NetR56_1: R56.1 R57.2 U10.7 | length 13.5
  Bottom Layer w0.3: R56.1@173.805,120.897 R57.2@173.805,119.454 183.341,119.454 184.651,120.764 U10.7@184.651,121.389
NetR57_1: R57.1 R58.2 U10.9 | length 13.1
  Bottom Layer w0.3: R58.2@173.784,116.055 173.784,117.554 R57.1@173.805,117.574 173.805,117.724 175.012,117.724 175.668,118.379 182.709,118.379 183.381,117.707 U10.9@183.381,116.439
NetR58_1: R58.1 R59.2 U10.11 | length 8.9
  Bottom Layer w0.3: R58.1@173.784,114.175 173.904,114.055 R59.2@176.08,114.055 179.842,114.055 180.841,115.054 U10.11@180.841,116.439
NetR60_1: R60.1 R61.2 U10.4 U10.6 U10.8 U10.10 | length 21.9
  Bottom Layer w0.3: U10.4@180.841,121.389 180.841,122.074 181.53,122.763 183.381,122.763 ; U10.10@182.111,116.439 182.111,115.193 182.616,114.688 184.2,114.688 184.651,115.139 U10.8@184.651,116.439 184.651,117.722 185.106,118.177 R61.2@187.146,118.177 R60.1@187.146,119.955 186.183,119.955 185.6,120.538 185.6,122.062 184.899,122.763 183.381,122.763 ; U10.6@183.381,121.389 183.381,122.763
NetU1_1: U1.1
NetU1_2: U1.2
NetU1_3: U1.3
NetU1_7: U1.7
NetU1_8: U1.8
NetU1_9: U1.9
NetU1_23: U1.23
NetU1_37: U1.37
NetU1_38: U1.38
NetU1_46: U1.46
NetU1_51: U1.51
NetU1_52: U1.52
NetU1_55: U1.55 | length 1.7
  Top Layer w0.3: U1.55@202.152,136.692 203.318,135.525 203.318,135.5
NetU1_56: U1.56 | length 1.6
  Top Layer w0.3: U1.56@202.505,137.045 203.637,135.914
NetU1_57: U1.57
NetU1_58: U1.58
NetU1_59: U1.59
NetU1_60: U1.60
NetU1_65: U1.65
NetU1_66: U1.66
NetU1_67: U1.67
NetU1_68: U1.68 | length 2.8
  Top Layer w0.3: U1.68@206.748,141.288 207.42,140.616 207.42,138.813
NetU1_69: U1.69 | length 3.2
  Top Layer w0.3: U1.69@207.101,141.641 207.935,140.807 207.935,138.777
NetU1_70: U1.70
NetU1_71: U1.71
NetU1_77: U1.77
NetU1_85: U1.85
NetU1_88: U1.88
NetU1_89: U1.89
NetU1_90: U1.90
NetU1_92: U1.92 | length 1.9
  Top Layer w0.3: U1.92@203.566,151.894 204.945,153.273
NetU1_97: U1.97
NetU1_98: U1.98
RESET_BTN: C17.2 R20.2 R44.1 SB2.3 SB2.4 U1.14 | length 46.2
  Top Layer w0.3: 225.584,148.6 239.467,148.6 249.25,158.383 249.75,158.883 SB2.4@249.75,166.958 249.75,168.643 249.152,169.241 C17.2@248.362,169.241 248.362,168.993 247.453,168.084 243.925,168.084 243.138,167.297 R44.1@243.138,167.048
RESET_IMU: C35.2 R15.2 SB5.3 SB5.4 U1.91 | length 33
  Top Layer w0.3: 217.843,151.788 227.28,151.788 233.875,158.383 234,158.383 234.5,158.883 SB5.4@234.5,159.008 SB5.3@234.5,166.958 ; R15.2@232.382,166.947 232.393,166.958 SB5.3@234.5,166.958 ; C35.2@235.81,169.235 235.723,169.149 235.149,169.149 234.5,168.5 SB5.3@234.5,166.958
ROLE_SW: R38.2 SW2.2 U1.95 | length 13.9
  Top Layer w0.3: 213.8,133.9 221.514,126.186 SW2.2@221.774,126.186
  Bottom Layer w0.3: R38.2@221.72,128.94 221.72,128.92 221.774,128.866 SW2.2@221.774,126.186
SOL2: VD5.A VT2.D XP6.2 | length 16.1
  Bottom Layer w2: VT2.D@142.175,208.189 142.263,208.101 145.269,208.101 146.4,209.232 XP6.2@151.482,209.232 153.025,207.689 153.025,205.804 VD5.A@154.619,204.21
ST_LED: HL8.2 U1.40 | length 8.4
  Top Layer w0.3: 210.089,133.111 215.4,127.8 HL8.2@215.4,126.936
SW1: R35.2 SW1.2 U1.96 | length 88.7
  Top Layer w0.3: v1(127.9,188.1) SW1.2@127.9,196.05 ; v1(127.92,181.4) 127.92,166.68 133.3,161.3 134,161.3 155.25,140.05 160.699,140.05 169.481,131.269
  Bottom Layer w0.3: R35.2@127.842,192.934 127.9,192.991 SW1.2@127.9,196.05 ; v1@127.91,181.41 v1@127.91,188.09
  Bottom Layer w0.5: v1(127.9,188.1) v1@127.91,188.09 ; v1@127.91,181.41 v1(127.92,181.4)
SWCLK: J1.A7 J1.B7 U1.76 VD1.K XP8.3 | length 35.3
  Top Layer w0.2: U1.76@209.223,146.237 213.501,141.959 223.713,141.959 225.028,140.645 ; v1(224.028,135.277) 224.528,135.777 J1.A7@224.528,136.61 224.528,137.82 225.028,138.32 J1.B7@225.028,139.58 225.028,140.645 ; XP8.3@233.85,139.365 231.349,139.365 230.069,140.645 225.028,140.645
  Bottom Layer w0.2: VD1.K@223.27,133.503 224.028,134.26 v1(224.028,135.277)
SWDIO: J1.A6 J1.B6 U1.72 VD2.K XP8.1 | length 37.6
  Top Layer w0.2: U1.72@208.162,142.702 210.354,140.51 211.657,140.51 212.659,141.512 223.564,141.512 224.528,140.548 J1.B6@224.528,139.58 224.528,138.764 224.322,138.559 v1(224.322,138.45) ; v1(225.26,137.717) 225.26,137.616 225.028,137.384 225.028,135.885 225.413,135.5 230.085,135.5 231.41,136.825 XP8.1@233.85,136.825
  Bottom Layer w0.2: v1(224.322,138.45) 224.424,138.45 225.158,137.717 v1(225.26,137.717) 225.6,137.377 225.6,134.128 VD2.K@226.228,133.5
TB_IN1: U1.15 XP2.2 | length 7.3
  Top Layer w0.3: XP2.2@182.303,173.497 182.303,170.597 185.385,167.515
TB_IN2: U1.16 XP2.3 | length 10.2
  Top Layer w0.3: XP2.3@180.536,175.264 180.536,171.564 185.1,167
TB_IN3: U1.17 XP2.4 | length 12.9
  Top Layer w0.3: XP2.4@178.768,177.032 178.768,172.501 184.717,166.551
TB_IN4: U1.18 XP2.5 | length 15.6
  Top Layer w0.3: XP2.5@177,178.8 177,173.4 184.209,166.191
TB_OUT1: U1.29 XP2.6 | length 19
  Top Layer w0.3: XP2.6@175.232,180.568 175.232,174.303 184.242,165.293
TB_OUT2: U1.30 XP2.7 | length 21.6
  Top Layer w0.3: XP2.7@173.464,182.336 173.464,175.236 183.74,164.96
Vbat: C3.1 C45.2 C52.2 R36.1 R37.1 R51.2 R54.2 R60.2 R66.2 U10.3 VT5.S XP20.2 | length 145.1
  Top Layer w0.3: R66.2@181.342,114.793 182.68,114.793 184.4,116.513 184.4,121.699 v1(186.183,123.482) ; v1(215.582,163.1) 215.582,165.197 R51.2@215.406,165.373 214.594,166.185 214.594,170.694 225.668,181.768 XP20.2@229.368,181.768
  Top Layer w3: XP20.2@229.368,181.768 229.483,181.883 233.343,181.883 234.4,182.94 234.4,187.032 C3.1@235.1,187.732 235.1,191.6 237.756,194.256 v2(237.773,194.256)
  Bottom Layer w0.3: R54.2@178.242,125.07 178.262,125.05 C52.2@179.869,125.05 ; U10.3@179.571,121.389 179.571,123.184 179.869,123.482 C52.2@179.869,125.05 ; R60.2@187.146,121.835 187.118,121.863 187.118,122.559 v1@186.195,123.482 ; v1(215.582,163.1) 215.582,148.005 194.994,127.418 190.131,127.418 v1@186.195,123.482 ; VT5.S@242.994,196.969 243.4,196.563 243.4,194.384 C45.2@243.611,194.173 243.611,191.944 R37.1@243.605,191.937 243.605,190.704 245.33,188.979 R36.1@247.272,188.979 ; C52.2@179.869,125.05 179.869,126.007 180.237,126.375 183.29,126.375 v1(186.183,123.482) v1@186.195,123.482
  Bottom Layer w3: v2(237.773,194.256) 240.486,196.969 VT5.S@242.994,196.969
  other v2: 238.482,193.558 237.039,194.933
VBAT_ADC: R51.1 R52.2 | length 2.5
  Top Layer w0.3: R51.1@216.735,166.702 216.735,166.624 R52.2@218.429,164.929
YG_LED: HL5.2 U1.42 | length 19.9
  Top Layer w0.3: 215.25,134.518 221.168,128.6 224.2,128.6 226.986,125.814 226.986,123.565 228.139,122.412 HL5.2@228.139,121.686
pads on no net: BT1.33@270.586,222.962 BT1.34@269.809,223.74 C16. G1.0 J1. VT1.1 VT1.8 VT2. VT3. VT5.

## Silkscreen, mask and mechanical layers (free items; w line width, h text height)
Bottom Overlay:
  drawing of 36 lines, arcs and shapes, not listed